# Altium PCB RockerBox_1_SiC780A_Rev02.PcbDoc (part 1 of 4)
Units mm, origin at the board's own origin, x right, y up, seen from the top; angles counter-clockwise.
Board outline 100 x 100 mm, 4 copper layers (L1, L2, L3, L4), stack 1.577 mm thick; 392 components, 96 nets, 1494 pads, 1617 vias.
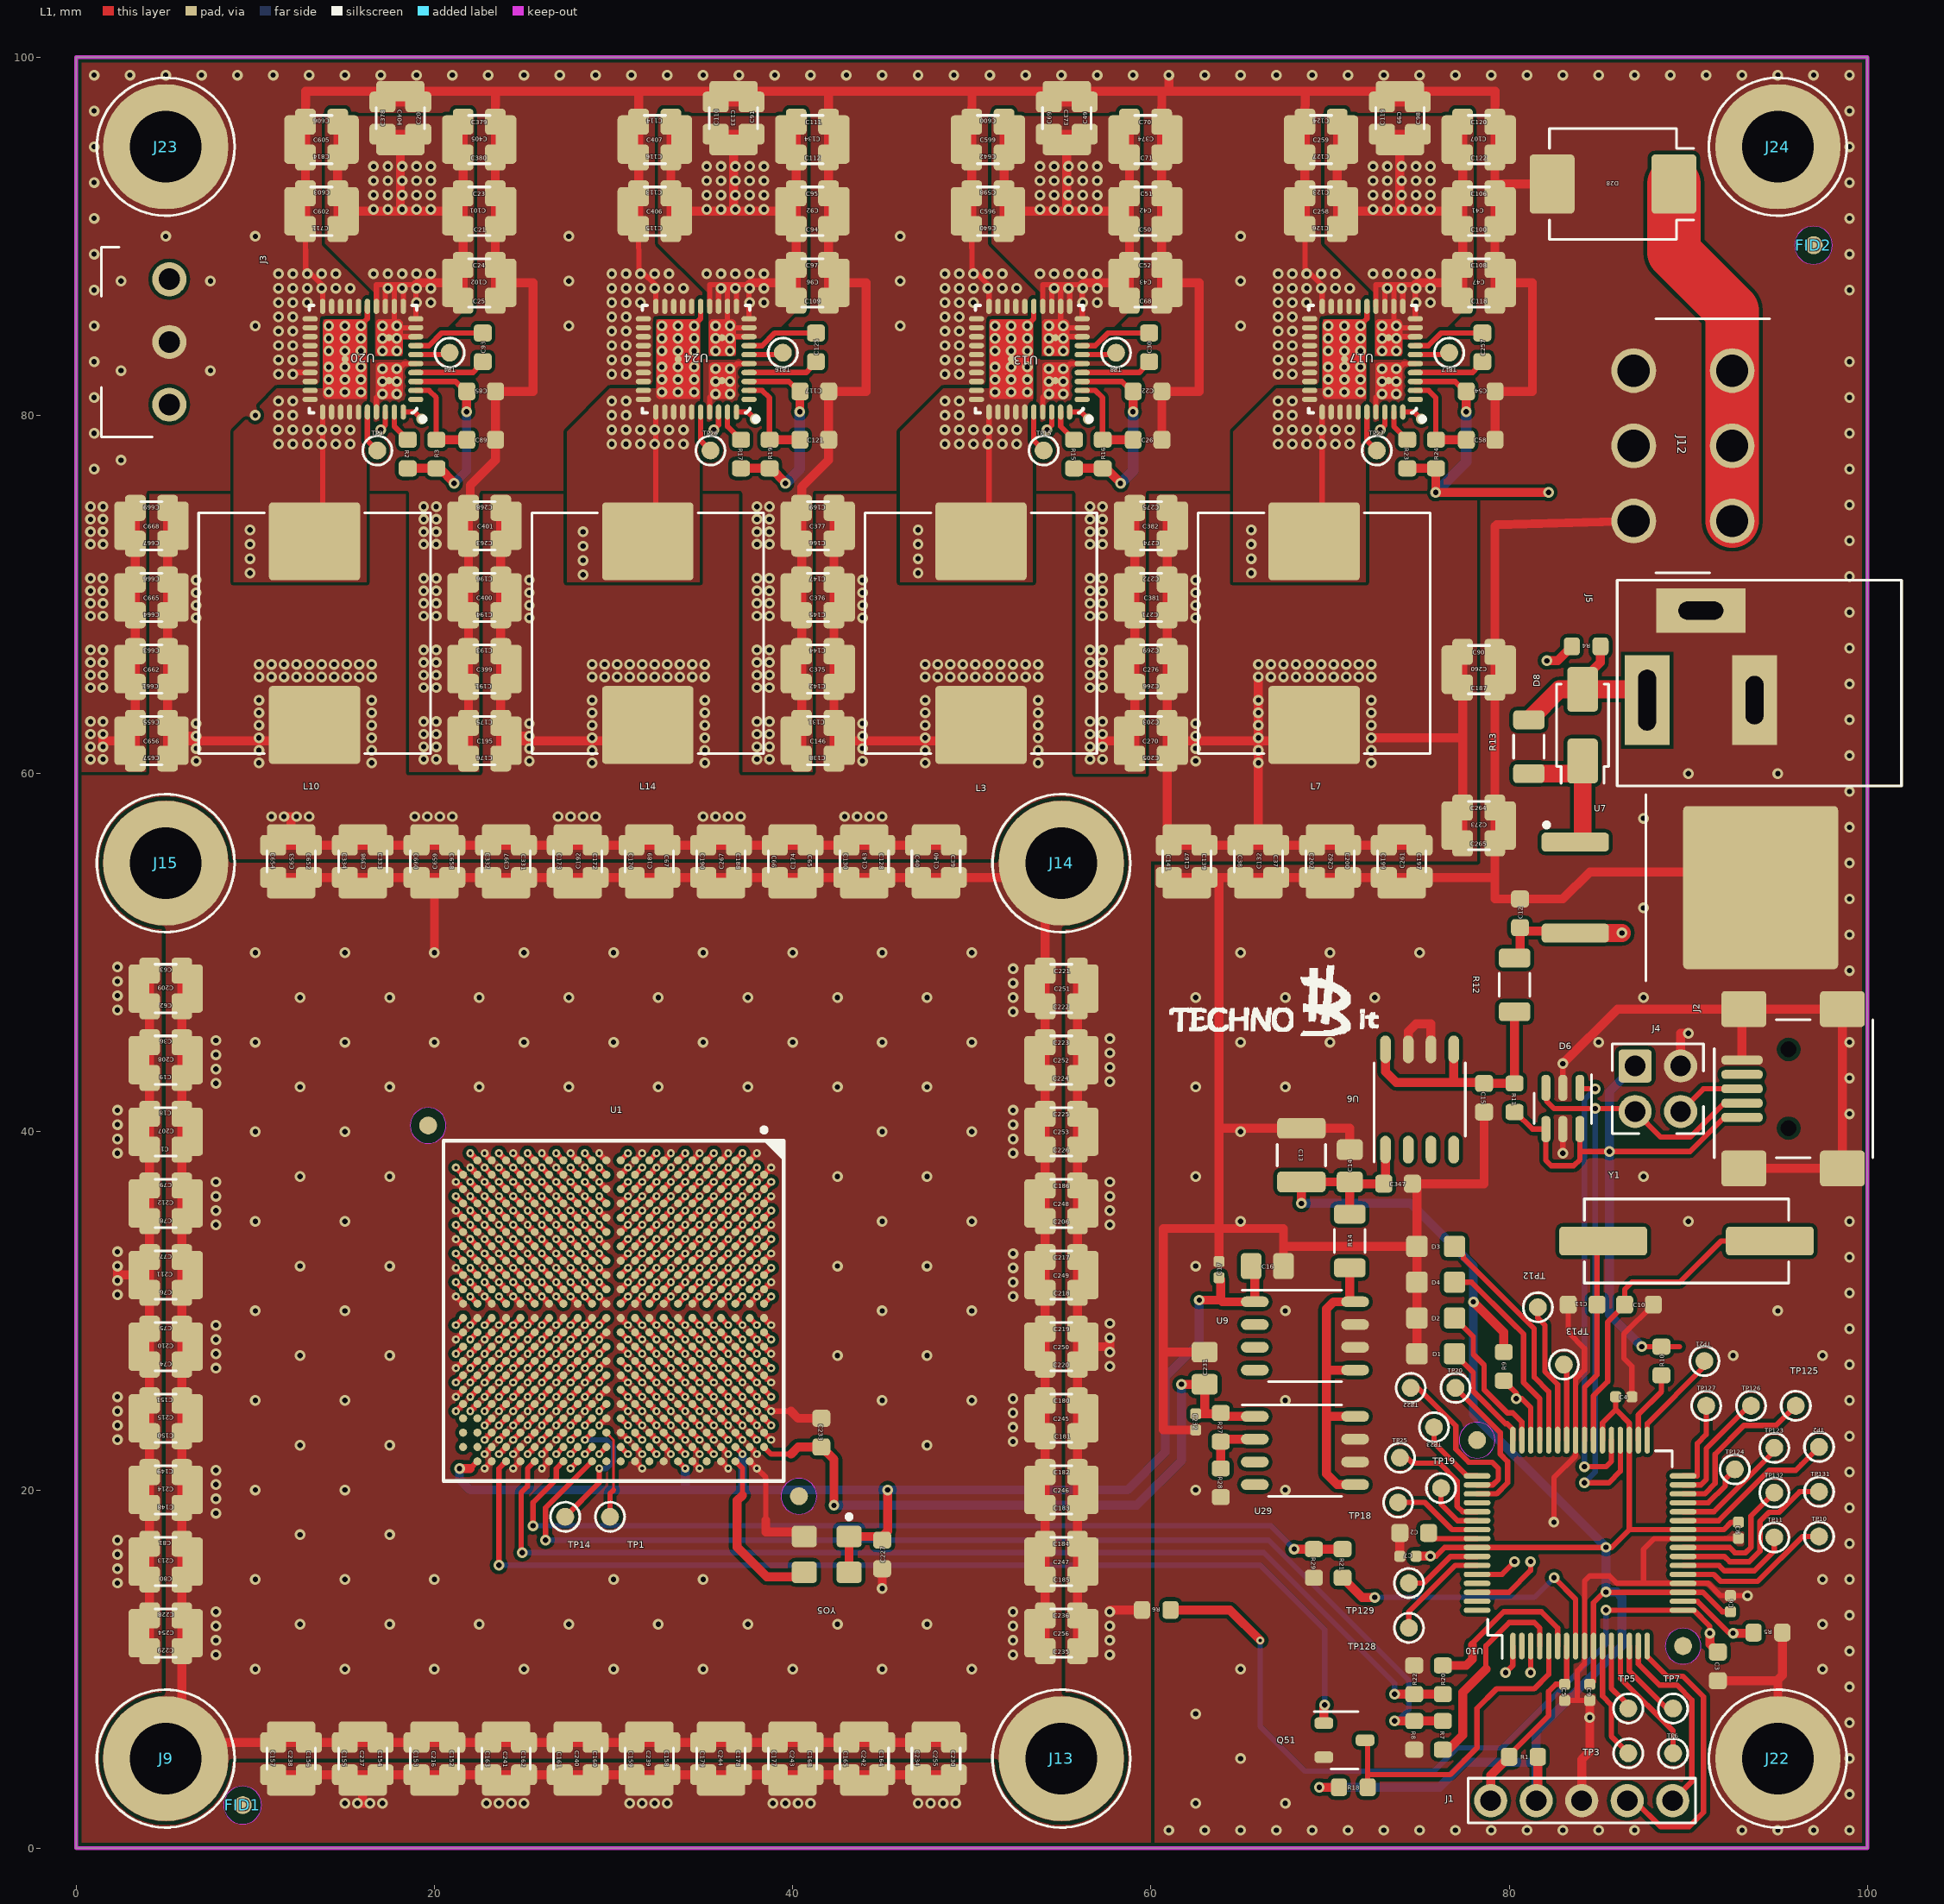
[diagram p0: L1 view]
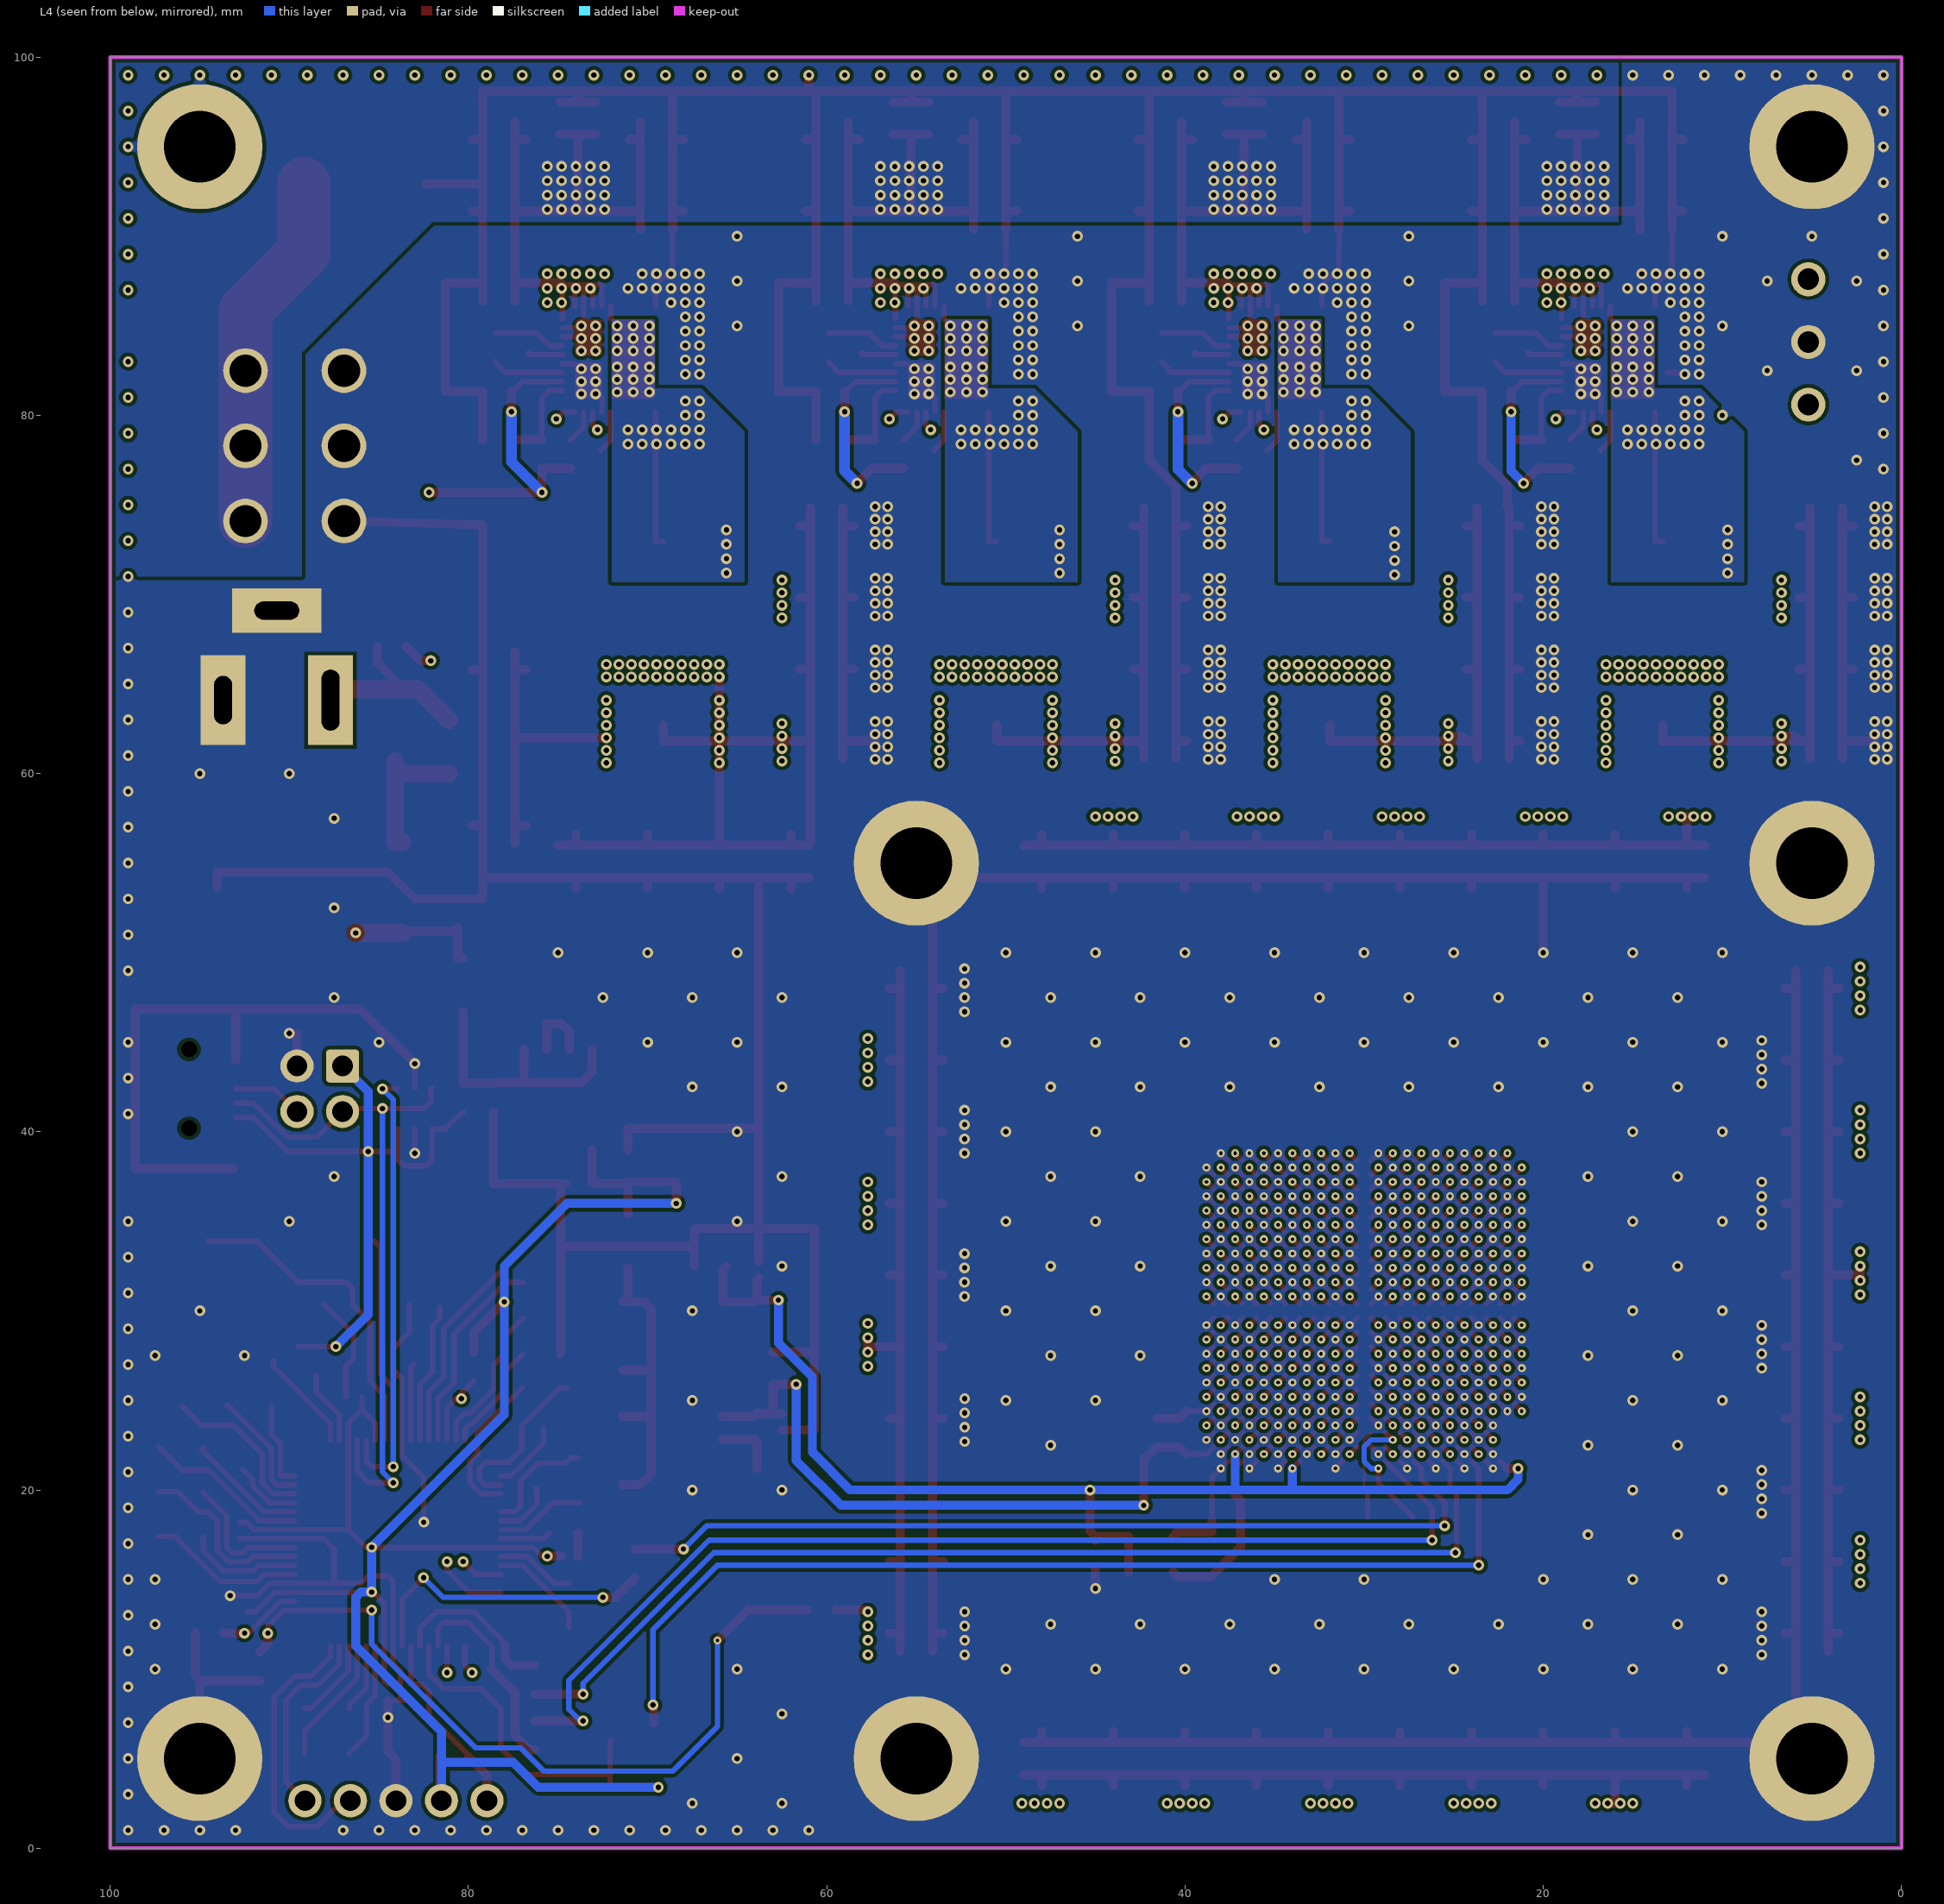
[diagram p1: L4 view, seen from below]
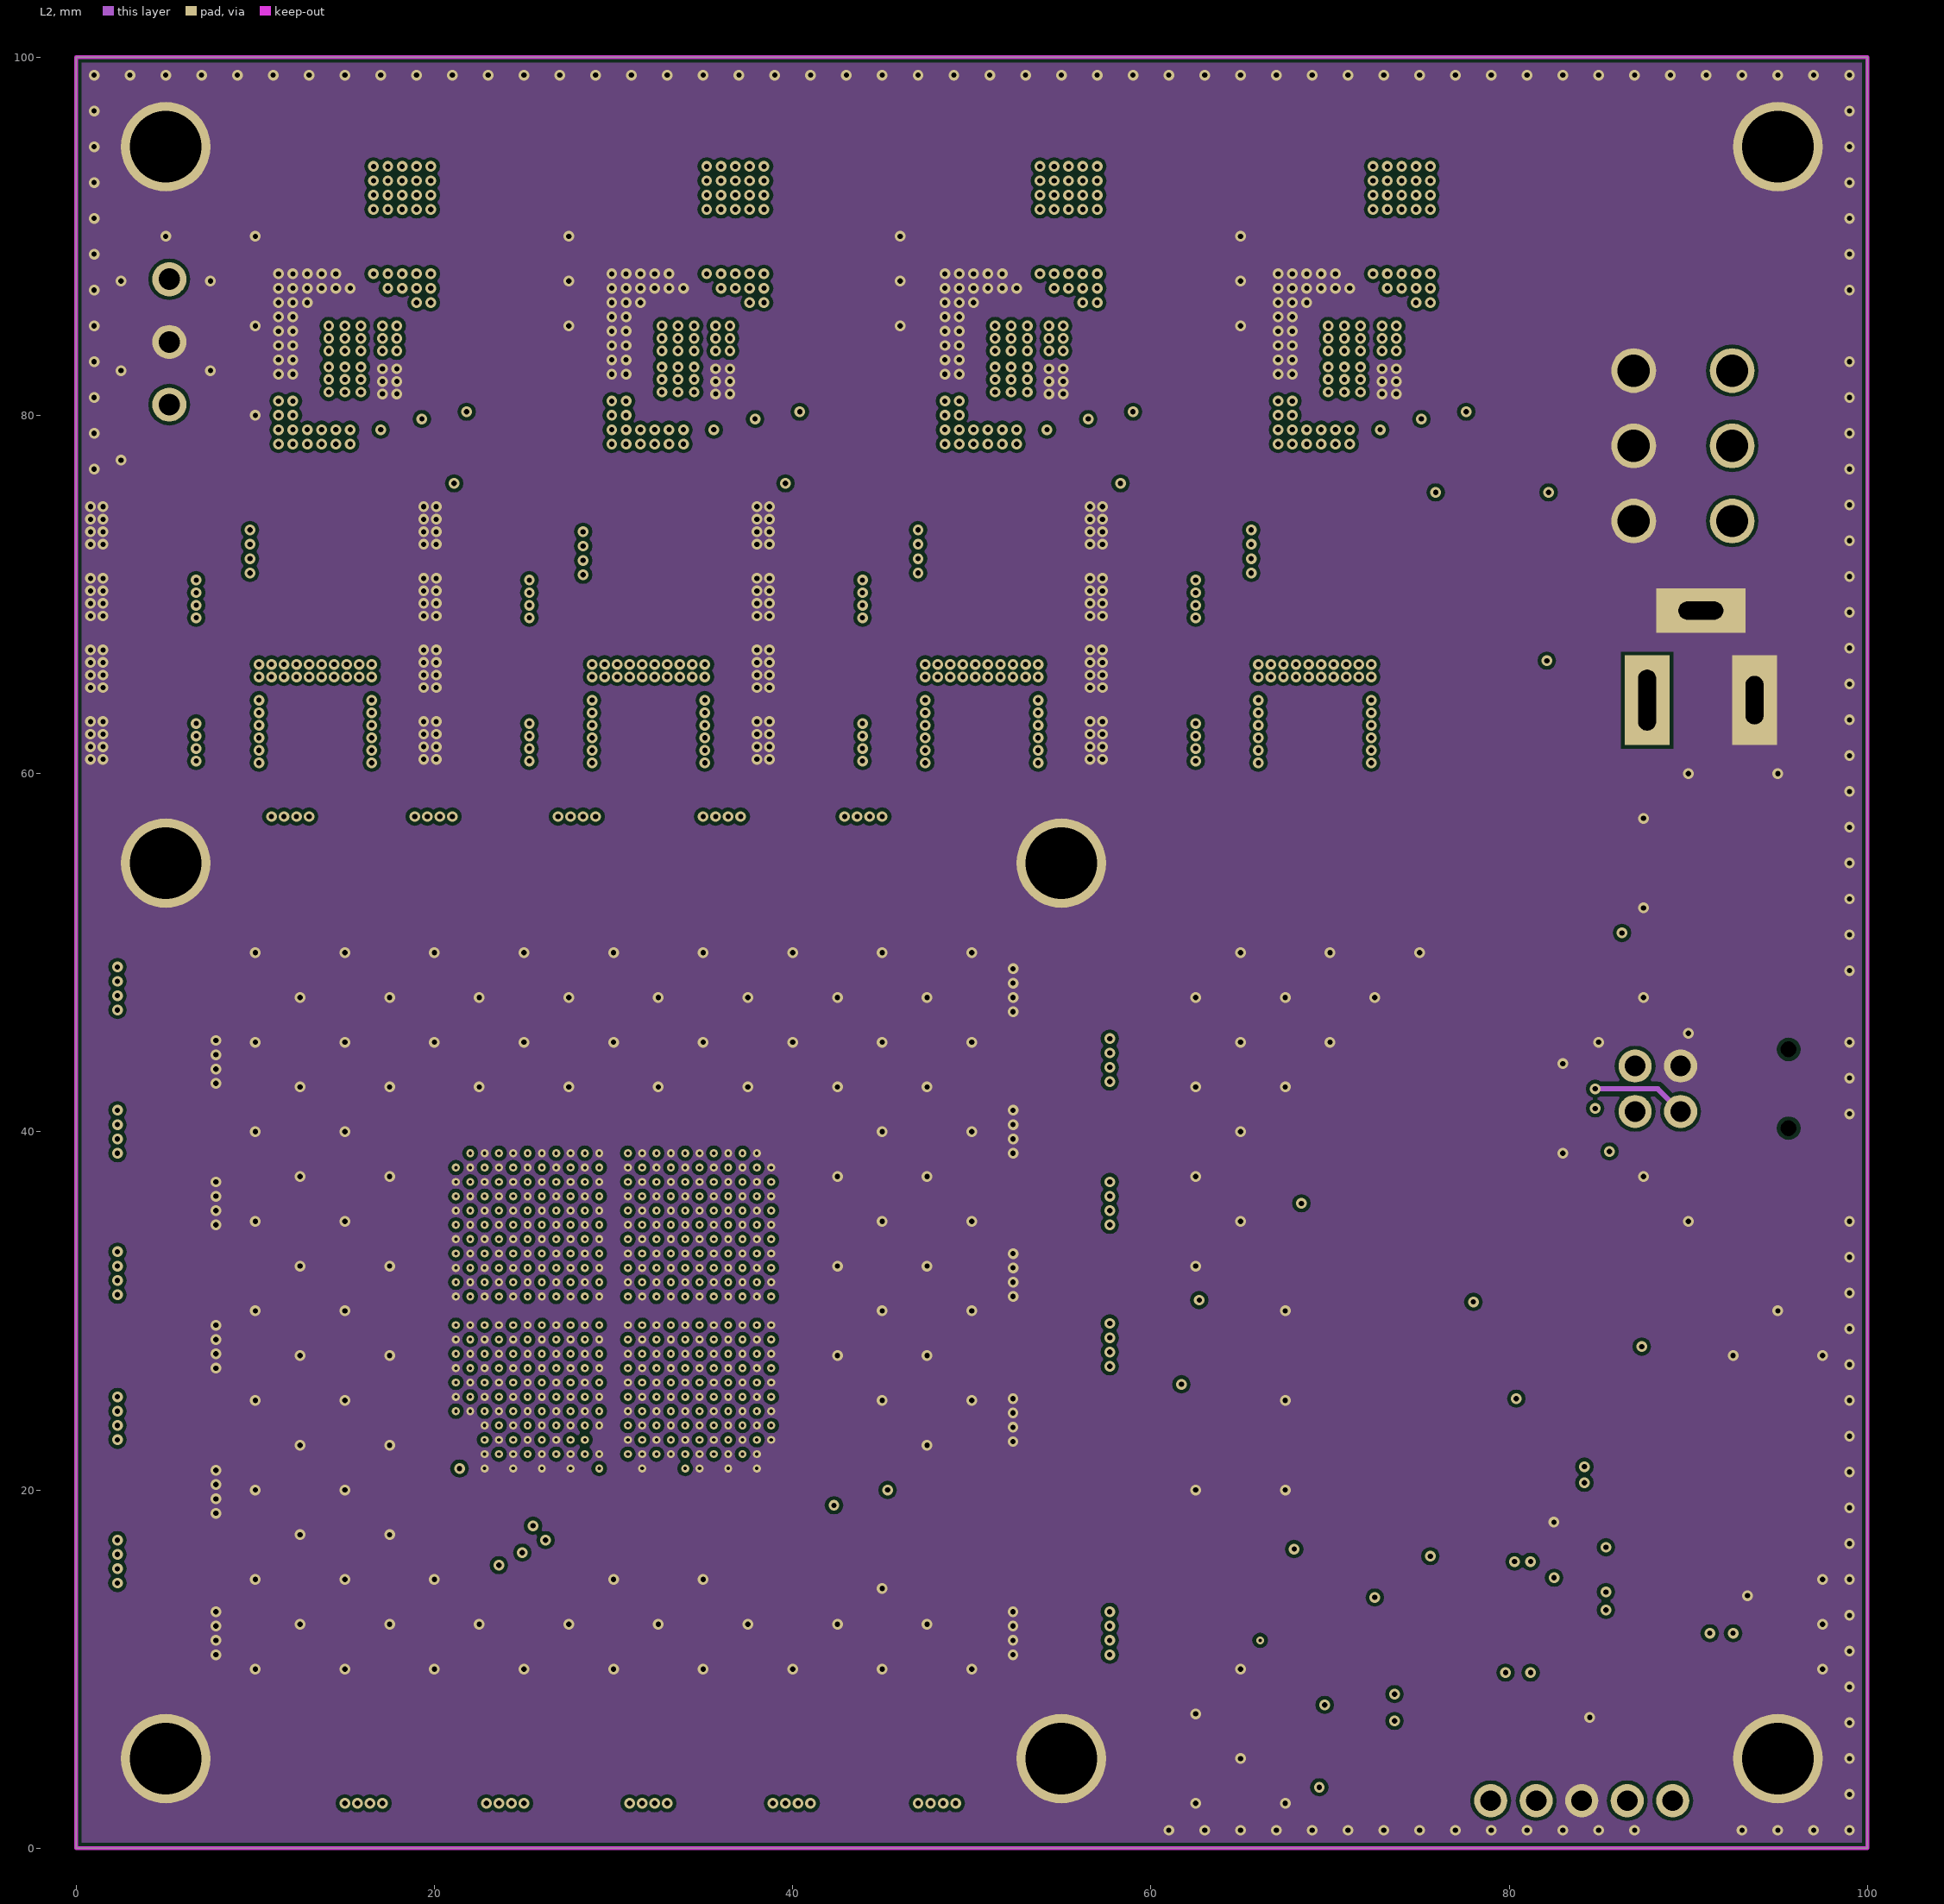
[diagram p2: L2]